# Altium PCB DDR3_Example.PcbDoc (part 4 of 6)
Units mm, origin at the board's own origin, x right, y up, seen from the top; angles counter-clockwise.
Board outline 133.38 x 30.03 mm, 6 copper layers (TOP, SPLIT1_L2, IN1_L3, IN2_L4, SPLIT2_L5, BOTTOM), stack 1.246 mm thick; 131 components, 227 nets, 1523 pads, 910 vias.
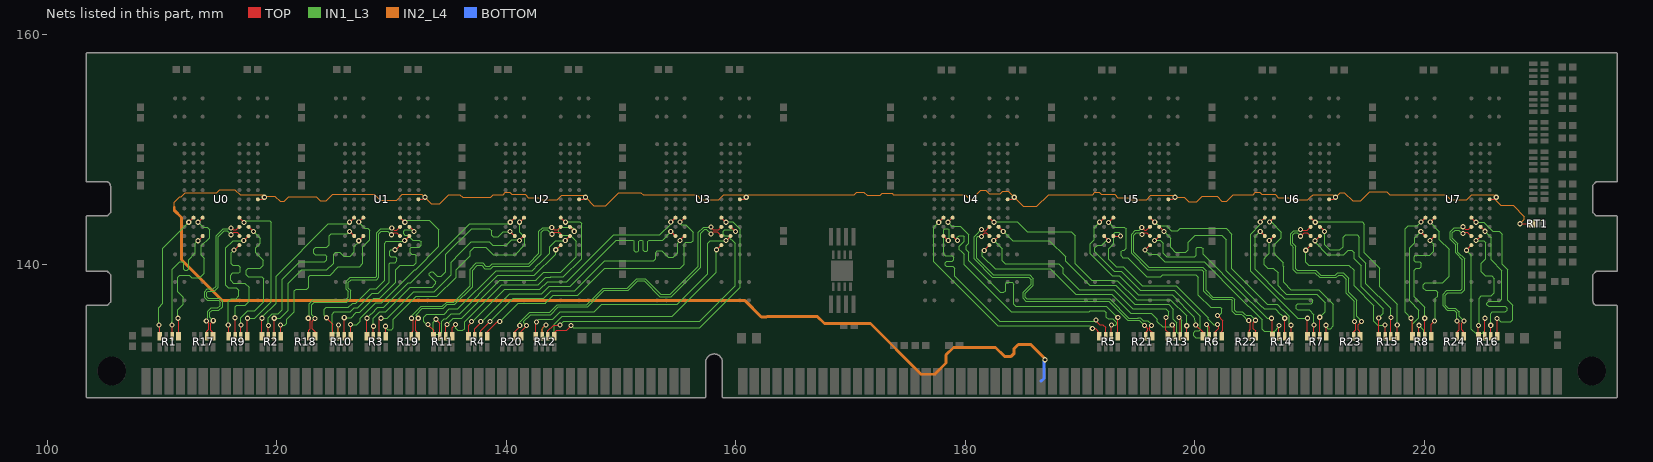
[diagram p8: the nets of this part, all layers, seen from the top]

## Via types
v1: diameter 0.45, hole 0.25, TOP to BOTTOM, 910 vias

## Nets (pads, with @x,y where several pads share a name; then routed paths per layer and width w, separated by ;. In a path a pad name is that pad's centre, name@x,y a point inside that pad or via, vN(x,y) a via of type N, cw(c..) or ccw(c..) an arc to the next point about the centre after c; other vN are vias at no path point) (continued)
DQ<1>: R1.5 U0.E7 | length 14.2
  TOP w0.1: v1(111.39,135.28) 111.439,135.231 R1.5@111.439,133.713 ; v1(113.146,143.64) 113.146,143.643 U0.E7@113.545,144.042
  IN1_L3 w0.1: v1(111.39,135.28) 111.39,136.032 111.86,136.502 111.86,137.098 111.39,137.568 111.39,138.844 111.566,139.02 112.364,139.02 112.576,138.808 113.284,138.808 113.666,139.19 113.666,140.51 113.43,140.746 113.43,141.58 114.146,142.296 114.146,143 113.946,143.2 113.586,143.2 v1(113.146,143.64)
DQ<2>: R9.6 U0.D2 | length 14.2
  TOP w0.1: R9.6@116.88,133.713 v1(116.88,134.68) ; U0.D2@117.546,143.242 117.566,143.242 v1(117.96,142.848)
  IN1_L3 w0.1: v1(116.88,134.68) 116.88,135.334 117.476,135.93 118.094,135.93 118.88,136.716 118.88,138.726 118.708,138.898 117.51,138.898 117.326,139.082 117.326,139.461 117.513,139.648 118.566,139.648 118.806,139.888 118.806,140.33 118.166,140.97 118.166,141.41 118.56,141.804 118.56,142.258 117.97,142.848 v1(117.96,142.848)
DQ<3>: R9.5 U0.E3 | length 14.2
  TOP w0.1: U0.E3@116.746,144.042 116.746,144.03 v1(117.146,143.63) ; R9.5@117.439,133.713 v1(117.439,135.28)
  IN1_L3 w0.1: v1(117.146,143.63) 117.276,143.76 119.386,143.76 119.526,143.62 119.526,136.727 118.079,135.28 v1(117.439,135.28)
DQ<4>: R1.8 U0.E8 | length 11.6
  TOP w0.1: v1(109.726,134.68) 109.813,134.593 R1.8@109.813,133.713 ; v1(112.334,143.646) 112.342,143.646 112.738,144.042 U0.E8@112.745,144.042
  IN1_L3 w0.1: v1(109.726,134.68) 109.726,136.21 110.084,136.568 110.084,141.378 112.334,143.628 v1(112.334,143.646)
DQ<5>: R1.6 U0.C7 | length 11.6
  TOP w0.1: v1(110.86,134.68) 110.88,134.66 R1.6@110.88,133.713 ; v1(113.146,142.03) 113.146,142.05 113.538,142.442 U0.C7@113.545,142.442
  IN1_L3 w0.1: v1(110.86,134.68) 110.86,134.98 110.884,135.004 110.884,139.548 111.556,140.22 111.746,140.22 111.886,140.08 111.886,139.55 111.976,139.46 112.206,139.46 112.332,139.586 112.332,140.386 112.91,140.964 112.91,141.794 v1(113.146,142.03)
DQ<6>: R9.8 U0.C2 | length 11.6
  TOP w0.1: v1(115.776,134.68) 115.776,134.564 115.813,134.527 R9.8@115.813,133.713 ; v1(117.129,142.046) 117.525,142.442 U0.C2@117.546,142.442
  IN1_L3 w0.1: v1(115.776,134.68) 115.776,136.72 116.043,136.987 116.453,136.987 116.696,137.23 116.696,137.73 116.486,137.94 115.766,137.94 115.576,138.13 115.576,138.412 115.575,138.413 115.575,139.197 115.576,139.198 115.576,141.42 116.189,142.033 117.102,142.033 v1@117.116,142.047 ; v1@117.116,142.046 v1(117.129,142.046)
DQ<7>: R9.7 U0.B3 | length 11.7
  TOP w0.1: v1(116.276,141.23) 116.336,141.23 116.746,141.64 U0.B3@116.746,141.642 ; R9.7@116.372,133.713 v1(116.372,135.32)
  IN1_L3 w0.1: v1(116.276,141.23) 116.026,140.98 116.026,140.03 116.176,139.88 116.656,139.88 116.806,139.73 116.806,139.32 116.706,139.22 116.166,139.22 115.976,139.03 115.976,138.58 116.216,138.34 117.206,138.34 117.586,137.96 117.586,136.74 117.276,136.43 116.522,136.43 116.372,136.28 v1(116.372,135.32)
DQ<8>: R2.7 U1.C8 | length 17.1
  TOP w0.1: R2.7@119.272,133.713 v1(119.272,134.64) ; v1(126.339,142.83) 126.339,142.848 U1.C8@126.745,142.442
  IN1_L3 w0.1: v1(119.272,134.64) 119.272,135.337 119.613,135.678 120.118,135.678 120.47,136.03 120.47,138.654 122.016,140.2 124.19,140.2 124.37,140.38 124.37,140.656 124.236,140.79 123.356,140.79 123.216,140.93 123.216,141.27 123.396,141.45 124.376,141.45 124.586,141.66 124.586,142.481 124.746,142.641 126.15,142.641 v1(126.339,142.83)
DQ<9>: R2.5 U1.E7 | length 17.1
  TOP w0.1: R2.5@120.339,133.713 v1(120.339,134.68) ; v1(127.14,143.65) 127.14,143.668 127.138,143.67 127.166,143.67 127.538,144.042 U1.E7@127.545,144.042
  IN1_L3 w0.1: v1(120.339,134.68) 120.686,134.68 120.866,134.86 120.866,135.168 121.53,135.832 121.53,137.654 121.686,137.81 122.606,137.81 122.786,137.99 122.786,138.89 122.926,139.03 124.656,139.03 125.374,139.748 126.969,139.748 126.97,139.749 127.211,139.749 127.509,140.047 127.509,141.413 127.51,141.414 127.51,141.527 128.106,142.123 128.106,142.95 127.946,143.11 127.68,143.11 v1(127.14,143.65)
DQ<10>: R10.6 U1.D2 | length 17.2
  TOP w0.1: R10.6@125.88,133.713 v1(125.88,135.326) ; U1.D2@131.546,143.242 131.572,143.242 131.96,142.854 v1(131.96,142.848)
  IN1_L3 w0.1: v1(125.88,135.326) 126.48,135.326 126.935,135.781 127.218,135.781 127.921,136.484 127.924,136.484 128.472,137.032 128.558,137.032 128.559,137.033 128.993,137.033 130.368,138.408 130.368,139.512 130.756,139.9 131.936,139.9 132.146,140.11 132.146,140.72 132.006,140.86 131.746,140.86 131.626,140.98 131.626,141.38 131.726,141.48 132.426,141.48 132.569,141.623 132.569,141.809 132.576,141.816 132.576,141.93 132.426,142.08 131.856,142.08 131.436,142.5 131.166,142.5 131.046,142.62 131.046,142.86 131.166,142.98 131.828,142.98 v1(131.96,142.848)
DQ<11>: R10.5 U1.E3 | length 17.1
  TOP w0.1: R10.5@126.439,133.713 v1(126.439,134.717) ; U1.E3@130.746,144.042 130.756,144.042 v1(131.16,143.638)
  IN1_L3 w0.1: v1(126.439,134.717) 126.983,134.717 127.266,135 127.266,135.259 127.619,135.612 127.619,135.614 128.088,136.083 128.091,136.083 128.639,136.631 128.725,136.631 128.726,136.632 129.16,136.632 130.359,137.831 130.359,137.833 132.026,139.5 132.106,139.5 134.136,141.53 134.136,142.98 133.296,143.82 131.342,143.82 v1(131.16,143.638)
DQ<12>: R2.8 U1.E8 | length 14.7
  TOP w0.1: R2.8@118.713,133.713 v1(118.713,135.28) ; v1(126.329,143.648) 126.351,143.648 U1.E8@126.745,144.042
  IN1_L3 w0.1: v1(118.713,135.28) 118.713,135.346 119.94,136.573 119.94,138.954 124.481,143.495 126.191,143.495 126.326,143.63 126.326,143.646 v1@126.328,143.648
DQ<13>: R2.6 U1.C7 | length 14.8
  TOP w0.1: R2.6@119.78,133.713 v1(119.78,135.276) ; v1(127.146,142.03) 127.146,142.05 127.538,142.442 U1.C7@127.545,142.442
  IN1_L3 w0.1: v1(119.78,135.276) 120.296,135.276 121,135.98 121,138.344 122.166,139.51 124.366,139.51 124.946,140.09 124.946,140.84 125.126,141.02 125.506,141.02 125.846,140.68 126.389,140.68 126.773,141.064 126.773,141.54 127.146,141.913 v1(127.146,142.03)
DQ<14>: R10.8 U1.C2 | length 14.7
  TOP w0.1: v1(124.326,135.32) 124.896,134.75 124.896,133.796 R10.8@124.813,133.713 ; v1(131.146,142.04) 131.546,142.44 U1.C2@131.546,142.442
  IN1_L3 w0.1: v1(124.326,135.32) 124.126,135.52 124.126,136.05 124.307,136.231 126.249,136.231 126.601,136.583 126.884,136.583 127.587,137.286 127.59,137.286 128.138,137.834 128.224,137.834 128.225,137.835 128.659,137.835 129.41,138.586 129.41,141.82 129.556,141.966 131.072,141.966 v1(131.146,142.04)
DQ<15>: R10.7 U1.B3 | length 14.6
  TOP w0.1: R10.7@125.372,133.713 v1(125.372,134.68) ; v1(130.316,141.248) 130.354,141.248 130.746,141.64 U1.B3@130.746,141.642
  IN1_L3 w0.1: v1(125.372,134.68) 125.372,134.146 125.246,134.02 124.956,134.02 124.826,134.15 124.826,135.63 125.026,135.83 126.416,135.83 126.768,136.182 127.051,136.182 127.754,136.885 127.757,136.885 128.305,137.433 128.391,137.433 128.392,137.434 128.826,137.434 129.811,138.419 129.811,140.03 129.911,140.13 130.326,140.13 130.466,140.27 130.466,140.49 130.326,140.63 129.926,140.63 129.826,140.73 129.826,141.13 129.944,141.248 v1(130.316,141.248)
DQ<16>: R3.7 U2.C8 | length 20.5
  TOP w0.1: R3.7@128.422,133.713 v1(128.422,134.58) ; v1(140.336,142.834) 140.353,142.834 U2.C8@140.745,142.442
  IN1_L3 w0.1: v1(128.422,134.58) 128.422,135.28 128.972,135.83 129.058,135.83 129.059,135.831 129.493,135.831 130.684,137.022 130.685,137.021 131.643,137.979 133.309,137.979 133.313,137.983 133.529,137.983 133.872,138.326 133.872,138.466 133.302,139.036 133.302,139.176 133.445,139.319 133.585,139.319 133.974,138.93 134.326,138.93 134.736,139.34 134.736,140.849 136.981,143.094 138.532,143.094 138.726,142.9 138.726,142.53 138.876,142.38 139.292,142.38 139.746,142.834 v1(140.336,142.834)
DQ<17>: R3.5 U2.E7 | length 20.6
  TOP w0.1: R3.5@129.489,133.713 v1(129.489,134.58) ; v1(141.16,143.648) 141.545,144.033 U2.E7@141.545,144.042
  IN1_L3 w0.1: v1(129.489,134.58) 129.489,134.457 129.676,134.27 130.006,134.27 130.171,134.435 130.171,135.175 132.173,137.177 133.643,137.177 133.647,137.181 133.956,137.181 135.626,138.851 135.626,139.481 136.865,140.72 136.865,141.129 137.216,141.48 138.226,141.48 138.879,140.827 140.773,140.827 141.626,141.68 141.626,142.31 141.16,142.776 v1(141.16,143.648)
DQ<18>: R11.6 U2.D2 | length 20.5
  TOP w0.1: R11.6@134.73,133.713 134.73,134.634 v1(134.826,134.73) ; U2.D2@145.546,143.242 145.926,142.862 v1(145.926,142.85)
  IN1_L3 w0.1: v1(134.826,134.73) 135.377,135.281 136.113,135.281 139.437,138.605 139.515,138.605 139.516,138.606 142.595,138.606 142.601,138.612 142.603,138.612 143.261,139.27 143.694,139.27 143.696,139.272 144.734,139.272 146.076,140.614 146.076,141.97 145.554,142.492 144.774,142.492 144.566,142.7 144.566,143.04 144.716,143.19 145.746,143.19 145.926,143.01 v1(145.926,142.85)
DQ<19>: R11.5 U2.E3 | length 20.6
  TOP w0.1: R11.5@135.289,133.713 135.289,134.443 v1(135.576,134.73) ; U2.E3@144.746,144.042 144.766,144.042 v1(145.16,143.648)
  IN1_L3 w0.1: v1(135.576,134.73) 135.576,134.42 135.766,134.23 136.216,134.23 136.366,134.38 136.366,134.966 139.604,138.204 139.682,138.204 139.683,138.205 142.762,138.205 142.768,138.211 142.77,138.211 143.428,138.869 143.861,138.869 143.863,138.871 144.97,138.871 146.57,140.471 146.57,143.536 146.416,143.69 145.202,143.69 v1(145.16,143.648)
DQ<20>: R3.8 U2.E8 | length 18.1
  TOP w0.1: R3.8@127.863,133.713 v1(127.863,135.28) ; v1(140.346,143.64) 140.564,143.858 140.564,143.861 U2.E8@140.745,144.042
  IN1_L3 w0.1: v1(127.863,135.28) 128.02,135.437 128.02,135.447 128.255,135.682 ; 128.256,135.682 128.805,136.231 128.891,136.231 128.892,136.232 129.326,136.232 131.474,138.38 131.696,138.38 136.811,143.495 140.196,143.495 140.341,143.64 v1(140.346,143.64)
DQ<21>: R3.6 U2.C7 | length 18.1
  TOP w0.1: R3.6@128.93,133.713 128.93,135.134 v1(129.076,135.28) ; v1(141.146,142.048) 141.146,142.118 141.47,142.442 U2.C7@141.545,142.442
  IN1_L3 w0.1: v1(129.076,135.28) 129.626,135.28 131.924,137.578 133.476,137.578 133.48,137.582 133.72,137.582 135.186,139.048 135.186,140.161 135.988,140.963 135.988,140.992 136.936,141.94 138.516,141.94 138.823,141.633 139.995,141.633 140.462,142.1 141.094,142.1 v1(141.146,142.048)
DQ<22>: R11.8 U2.C2 | length 18.1
  TOP w0.1: v1(133.176,134.73) 133.663,134.243 R11.8@133.663,133.713 ; v1(145.136,142.05) 145.528,142.442 U2.C2@145.546,142.442
  IN1_L3 w0.1: v1(133.176,134.73) 133.046,134.73 132.826,134.95 132.826,135.37 133.086,135.63 134.59,135.63 135.043,136.083 135.781,136.083 139.105,139.407 139.213,139.407 139.214,139.408 142.254,139.408 142.851,140.005 142.86,140.005 143.776,140.921 143.776,141.5 144.326,142.05 v1(145.136,142.05)
DQ<23>: R11.7 U2.B3 | length 18
  TOP w0.1: v1(133.866,135.19) 134.222,134.834 R11.7@134.222,133.713 ; v1(144.31,141.248) 144.332,141.248 144.726,141.642 U2.B3@144.746,141.642
  IN1_L3 w0.1: v1(133.866,135.19) 133.866,135.18 133.626,134.94 133.626,134.08 133.836,133.87 134.186,133.87 134.381,134.065 134.381,135.034 134.576,135.229 134.757,135.229 134.758,135.23 134.758,135.232 135.208,135.682 135.946,135.682 139.271,139.007 142.428,139.007 142.434,139.013 142.436,139.013 144.296,140.873 144.296,141.234 v1(144.31,141.248)
DQ<24>: R4.7 U3.C8 | length 25.4
  TOP w0.1: R4.7@137.272,133.713 137.272,134.376 137.776,134.88 v1(137.776,134.98) ; v1(154.336,142.83) 154.357,142.83 U3.C8@154.745,142.442
  IN1_L3 w0.1: v1(137.776,134.98) 137.876,134.98 140.298,137.402 143.095,137.402 143.76,138.067 144.195,138.067 144.197,138.069 145.565,138.069 149.586,142.09 151.053,142.09 151.133,142.01 151.133,141.16 151.233,141.06 151.433,141.06 151.533,141.16 151.533,141.97 151.653,142.09 151.853,142.09 151.933,142.01 151.933,141.2 152.033,141.1 152.233,141.1 152.333,141.2 152.333,141.97 152.453,142.09 153.615,142.09 154.336,142.811 v1(154.336,142.83)
DQ<25>: R4.5 U3.E7 | length 25.5
  TOP w0.1: R4.5@138.339,133.713 138.339,134.093 139.226,134.98 v1(139.426,134.98) ; v1(155.136,143.65) U3.E7@155.545,144.042
  IN1_L3 w0.1: v1(139.426,134.98) 141.046,136.6 142.469,136.6 142.47,136.601 143.43,136.601 143.436,136.607 143.438,136.607 144.096,137.265 144.529,137.265 144.53,137.266 144.862,137.266 ; v1(155.136,143.65) 155.136,143.56 155.266,143.43 155.636,143.43 156.276,142.79 156.276,142.04 156.116,141.88 155.636,141.88 155.499,141.743 155.499,139.969 155.16,139.63 151.594,139.63 151.593,139.631 148.809,139.631 148.808,139.63 148.576,139.63 146.211,137.265 144.863,137.265 ; 144.862,137.266 144.863,137.265
DQ<26>: R12.6 U3.D2 | length 25.5
  TOP w0.1: R12.6@143.63,133.713 143.63,134.184 144.126,134.68 v1(144.676,134.68) ; U3.D2@159.546,143.242 159.572,143.242 159.96,142.854 v1(159.96,142.848)
  IN1_L3 w0.1: v1(144.676,134.68) 145.028,135.032 156.872,135.032 159.96,138.12 159.96,141.796 159.276,142.48 159.007,142.48 158.886,142.601 158.886,142.84 159.026,142.98 159.828,142.98 v1(159.96,142.848)
DQ<27>: R12.5 U3.E3 | length 25.5
  TOP w0.1: R12.5@144.189,133.713 144.189,134.03 144.389,134.23 145.276,134.23 145.626,134.58 v1(145.626,134.63) ; U3.E3@158.746,144.042 158.746,144.028 v1(159.134,143.64)
  IN1_L3 w0.1: v1(145.626,134.63) 145.826,134.43 147.784,134.43 147.794,134.44 156.846,134.44 160.376,137.97 160.376,143.03 159.738,143.668 159.162,143.668 v1(159.134,143.64)
DQ<28>: R4.8 U3.E8 | length 23
  TOP w0.1: R4.8@136.713,133.713 136.713,134.667 136.976,134.93 v1(136.976,134.98) ; v1(154.332,143.651) 154.354,143.651 U3.E8@154.745,144.042
  IN1_L3 w0.1: v1(136.976,134.98) 137.026,134.98 139.85,137.804 142.929,137.804 142.935,137.81 142.937,137.81 143.595,138.468 144.028,138.468 144.03,138.47 145.286,138.47 149.356,142.54 153.387,142.54 154.332,143.485 v1(154.332,143.651)
DQ<29>: R4.6 U3.C7 | length 23
  TOP w0.1: R4.6@137.78,133.713 137.78,134.184 v1(138.576,134.98) ; v1(155.146,142.048) 155.146,142.118 155.47,142.442 U3.C7@155.545,142.442
  IN1_L3 w0.1: v1(138.576,134.98) 140.597,137.001 142.302,137.001 142.303,137.002 143.263,137.002 143.269,137.008 143.271,137.008 143.929,137.666 144.362,137.666 144.364,137.668 144.696,137.668 144.697,137.667 145.029,137.667 145.03,137.666 145.962,137.666 148.586,140.29 152.846,140.29 153.016,140.46 153.016,141 153.166,141.15 153.554,141.15 154.106,140.598 154.544,140.598 154.926,140.98 154.926,141.828 v1(155.146,142.048)
DQ<30>: R12.8 U3.C2 | length 22.9
  TOP w0.1: R12.8@142.563,133.713 142.563,134.897 v1(142.626,134.96) ; v1(159.146,142.04) 159.146,142.018 159.546,142.418 U3.C2@159.546,142.442
  IN1_L3 w0.1: v1(142.626,134.96) 142.836,135.17 144.026,135.17 144.032,135.176 144.034,135.176 144.692,135.834 147.68,135.834 148.326,136.48 154.881,136.48 157.576,139.175 157.576,141.818 157.776,142.018 159.124,142.018 v1(159.146,142.04)
DQ<31>: R12.7 U3.B3 | length 22.9
  TOP w0.1: R12.7@143.122,133.713 143.122,134.426 143.376,134.68 v1(143.472,134.68) ; v1(158.31,141.248) 158.31,141.232 158.72,141.642 U3.B3@158.746,141.642
  IN1_L3 w0.1: v1(143.472,134.68) 143.446,134.68 143.136,134.37 143.136,133.85 143.336,133.65 144.006,133.65 144.193,133.837 144.193,134.769 144.199,134.775 144.201,134.775 144.859,135.433 154.471,135.433 158.31,139.272 v1(158.31,141.248)
DQ<32>: R5.7 U4.C8 | length 24.1
  TOP w0.1: U4.C8@178.095,142.442 178.116,142.442 v1(178.51,142.048) ; v1(191.376,135.13) 191.376,135.049 191.695,134.73 191.976,134.73 192.222,134.484 R5.7@192.222,133.713
  IN1_L3 w0.1: v1(178.51,142.048) 178.596,142.134 178.596,143.01 178.516,143.09 178.186,143.09 178.099,143.003 178.099,140.874 178.246,140.727 178.839,140.727 178.986,140.58 178.986,140.39 178.856,140.26 178.366,140.26 178.236,140.13 178.236,139.89 178.336,139.79 178.926,139.79 179.086,139.63 179.086,138.936 182.992,135.03 191.276,135.03 v1(191.376,135.13)
DQ<33>: R5.5 U4.E7 | length 24.1
  TOP w0.1: v1(178.476,143.64) 178.878,144.042 U4.E7@178.895,144.042 ; R5.5@193.289,133.713 v1(193.289,135.33)
  IN1_L3 w0.1: v1(178.476,143.64) 178.826,143.29 179.552,143.29 180.296,142.546 180.296,141.804 180.066,141.574 180.066,141.246 180.296,141.016 180.296,140.27 183.026,137.54 183.366,137.54 183.506,137.68 183.506,138.3 183.606,138.4 184.076,138.4 184.236,138.24 184.236,136.49 184.391,136.335 192.291,136.335 193.289,135.337 v1(193.289,135.33)
DQ<34>: R13.6 U4.D2 | length 24.1
  TOP w0.1: U4.D2@182.896,143.242 182.922,143.242 183.31,142.854 v1(183.31,142.848) ; v1(198.626,135.33) 198.73,135.226 R13.6@198.73,133.713
  IN1_L3 w0.1: v1(183.31,142.848) 183.726,142.432 184.113,142.044 187.332,142.044 188.746,140.63 188.746,140.25 190.83,138.166 192.639,138.166 192.64,138.165 193.086,138.165 194.75,136.501 197.709,136.501 198.138,136.072 198.138,135.168 198.436,134.87 198.436,134.05 198.546,133.94 198.686,133.94 198.846,134.1 198.846,135.11 v1(198.626,135.33)
DQ<35>: R13.5 U4.E3 | length 24
  TOP w0.1: U4.E3@182.096,144.042 182.096,144.03 v1(182.486,143.64) ; R13.5@199.289,133.713 v1(199.289,134.617)
  IN1_L3 w0.1: v1(182.486,143.64) 182.52,143.674 184.522,143.674 185.376,142.82 189.216,142.82 189.586,142.45 189.586,140.01 191.03,138.566 192.889,138.566 192.89,138.565 193.254,138.565 194.917,136.902 197.876,136.902 199.289,135.489 v1(199.289,134.617)
DQ<36>: R5.8 U4.E8 | length 21.5
  TOP w0.1: v1(177.681,143.635) 177.688,143.635 U4.E8@178.095,144.042 ; v1(191.066,134.39) 191.306,134.39 191.663,134.033 R5.8@191.663,133.713
  IN1_L3 w0.1: v1(177.681,143.635) 177.666,143.635 177.666,143.62 177.256,143.21 177.256,140.2 182.826,134.63 190.826,134.63 v1(191.066,134.39)
DQ<37>: R5.6 U4.C7 | length 21.6
  TOP w0.1: U4.C7@178.895,142.442 179.289,142.048 v1(179.31,142.048) ; R5.6@192.73,133.713 v1(192.73,134.68)
  IN1_L3 w0.1: v1(179.31,142.048) 179.31,142.314 179.456,142.46 179.816,142.46 179.896,142.38 179.896,141.97 179.476,141.55 179.476,141.266 179.589,141.153 179.593,141.153 179.896,140.85 179.896,139.93 183.995,135.831 190.787,135.831 190.89,135.934 191.616,135.934 191.617,135.935 192.125,135.935 192.296,135.764 192.296,135.376 192.452,135.22 192.83,135.22 193.186,134.864 193.186,134.778 193.086,134.678 192.732,134.678 v1(192.73,134.68)
DQ<38>: R13.8 U4.C2 | length 21.6
  TOP w0.1: v1(182.479,142.037) 182.491,142.037 U4.C2@182.896,142.442 ; v1(197.476,135.33) 197.476,134.23 197.663,134.043 R13.8@197.663,133.713
  IN1_L3 w0.1: v1(182.479,142.037) 182.476,142.037 182.476,142.05 182.508,142.018 182.538,142.018 183.226,141.33 183.226,140.28 183.476,140.03 188.126,140.03 188.536,139.62 188.536,139.16 189.93,137.766 192.473,137.766 192.475,137.764 192.555,137.764 192.556,137.763 192.92,137.763 194.583,136.1 197.456,136.1 197.726,135.83 197.726,135.58 v1(197.476,135.33)
DQ<39>: R13.7 U4.B3 | length 21.5
  TOP w0.1: v1(181.646,141.184) 181.71,141.248 181.71,141.254 182.096,141.64 U4.B3@182.096,141.642 ; v1(198.026,134.68) 198.222,134.484 R13.7@198.222,133.713
  IN1_L3 w0.1: v1(181.646,141.184) 181.476,141.014 181.476,140.69 182.596,139.57 187.406,139.57 189.611,137.365 192.306,137.365 192.309,137.362 192.753,137.362 194.416,135.699 196.207,135.699 196.726,135.18 196.726,134.99 197.186,134.53 197.876,134.53 v1(198.026,134.68)
DQ<40>: R6.7 U5.C8 | length 19.5
  TOP w0.1: U5.C8@192.095,142.442 192.095,142.431 192.486,142.04 v1(192.486,142.05) ; v1(201.026,134.73) 201.026,134.72 201.272,134.474 R6.7@201.272,133.713
  IN1_L3 w0.1: v1(192.486,142.05) 192.296,142.05 191.894,141.648 191.534,141.648 191.294,141.408 191.294,141.052 192.974,139.372 193.137,139.372 193.142,139.367 193.588,139.367 195.251,137.704 197.542,137.704 197.543,137.705 198.209,137.705 200.485,135.429 200.485,134.28 200.375,134.17 200.046,134.17 199.906,134.03 199.906,133.77 200.096,133.58 200.886,133.58 201.106,133.8 201.106,134.65 v1(201.026,134.73)
DQ<41>: R6.5 U5.E7 | length 19.6
  TOP w0.1: v1(192.486,143.63) 192.486,143.633 U5.E7@192.895,144.042 ; v1(201.976,135.53) 202.436,135.07 202.436,134.245 202.339,134.148 R6.5@202.339,133.713
  IN1_L3 w0.1: v1(192.486,143.63) 192.906,143.21 193.866,143.21 194.01,143.066 194.01,141.364 193.866,141.22 193.696,141.22 193.586,141.11 193.586,140.706 193.723,140.569 194.088,140.569 194.097,140.56 194.136,140.56 195.789,138.907 197.041,138.907 197.214,139.08 200.086,139.08 200.316,138.85 200.316,137.3 201.371,136.245 202.211,136.245 202.356,136.1 202.356,135.76 202.156,135.56 202.006,135.56 v1(201.976,135.53)
DQ<42>: R14.6 U5.D2 | length 19.4
  TOP w0.1: U5.D2@196.896,143.242 196.922,143.242 197.246,142.918 197.246,142.912 v1(197.31,142.848) ; R14.6@207.83,133.713 v1(207.83,135.276)
  IN1_L3 w0.1: v1(197.31,142.848) 197.895,142.263 197.895,141.465 198.312,141.048 199.21,141.048 199.426,141.264 199.426,141.88 200.046,142.5 202.356,142.5 202.726,142.13 202.726,139.404 205.845,136.285 205.854,136.285 206.056,136.083 207.01,136.083 207.463,135.63 207.476,135.63 v1(207.83,135.276)
DQ<43>: R14.5 U5.E3 | length 19.5
  TOP w0.1: U5.E3@196.096,144.042 196.096,144.018 196.466,143.648 v1(196.51,143.648) ; R14.5@208.389,133.713 v1(208.389,134.667)
  IN1_L3 w0.1: v1(196.51,143.648) 196.838,143.32 197.532,143.32 197.954,142.898 198.504,142.898 198.716,143.11 202.726,143.11 203.226,142.61 203.226,139.58 206.322,136.484 207.177,136.484 207.63,136.031 207.643,136.031 207.995,135.679 207.997,135.679 208.233,135.443 208.233,135.023 208.241,135.015 208.241,134.815 v1(208.389,134.667)
DQ<44>: R6.8 U5.E8 | length 16.9
  TOP w0.1: v1(191.696,143.648) 191.71,143.648 192.095,144.033 U5.E8@192.095,144.042 ; v1(200.076,134.68) 200.713,134.043 R6.8@200.713,133.713
  IN1_L3 w0.1: v1(191.696,143.648) 191.226,143.178 191.226,142.1 190.894,141.768 190.894,140.886 192.808,138.972 192.844,138.972 192.849,138.967 193.056,138.967 193.057,138.966 193.421,138.966 195.084,137.303 197.709,137.303 197.71,137.304 197.786,137.304 197.787,137.303 198.043,137.303 199.921,135.425 v1(200.076,134.68)
DQ<45>: R6.6 U5.C7 | length 17
  TOP w0.1: U5.C7@192.895,142.442 v1(193.51,142.442) ; R6.6@201.78,133.713 201.78,134.084 202.086,134.39 202.086,134.622 v1(201.984,134.724)
  IN1_L3 w0.1: v1(193.51,142.442) 193.51,142.636 193.386,142.76 193.046,142.76 192.916,142.63 192.916,141.78 192.486,141.35 192.486,140.434 193.148,139.772 193.303,139.772 193.307,139.768 193.755,139.768 195.418,138.105 197.375,138.105 197.376,138.106 198.376,138.106 201.172,135.31 201.172,135.244 201.173,135.243 201.173,135.237 201.174,135.236 201.174,135.197 201.643,134.728 201.682,134.728 201.683,134.727 201.689,134.727 201.69,134.726 201.982,134.726 v1(201.984,134.724)
DQ<46>: R14.8 U5.C2 | length 17
  TOP w0.1: v1(196.496,142.06) 196.496,142.042 U5.C2@196.896,142.442 ; v1(206.676,135.28) 206.676,135.23 206.763,135.143 R14.8@206.763,133.713
  IN1_L3 w0.1: v1(196.496,142.06) 196.966,142.06 197.235,141.791 197.235,140.931 197.536,140.63 199.976,140.63 200.106,140.76 200.106,141.36 200.226,141.48 200.576,141.48 200.716,141.34 200.716,140.84 204.046,137.51 204.052,137.51 205.678,135.884 205.687,135.884 206.291,135.28 v1(206.676,135.28)
DQ<47>: R14.7 U5.B3 | length 16.9
  TOP w0.1: v1(195.646,141.218) 196.07,141.642 U5.B3@196.096,141.642 ; R14.7@207.322,133.713 v1(207.322,134.64)
  IN1_L3 w0.1: v1(195.646,141.218) 196.026,140.838 196.718,140.838 197.376,140.18 200.808,140.18 203.879,137.109 203.885,137.109 205.511,135.483 205.52,135.483 205.856,135.147 205.856,134.33 206.044,134.142 206.948,134.142 207.322,134.516 v1(207.322,134.64)
DQ<48>: R7.7 U6.C8 | length 15.8
  TOP w0.1: v1(205.696,142.848) 206.095,142.449 U6.C8@206.095,142.442 ; R7.7@210.372,133.713 v1(210.372,134.676)
  IN1_L3 w0.1: v1(205.696,142.848) 205.256,142.408 205.256,139.534 207.459,137.331 207.468,137.331 207.839,136.96 210.156,136.96 210.286,136.83 210.286,136.65 210.156,136.52 208.966,136.52 208.856,136.41 208.856,136.11 208.956,136.01 209.956,136.01 210.372,135.594 v1(210.372,134.676)
DQ<49>: R7.5 U6.E7 | length 15.8
  TOP w0.1: v1(206.496,143.653) 206.506,143.653 U6.E7@206.895,144.042 ; R7.5@211.439,133.713 v1(211.439,134.667)
  IN1_L3 w0.1: v1(206.496,143.653) 206.519,143.63 206.686,143.63 207.526,142.79 207.526,142.29 206.926,141.69 206.926,140.88 207.71,140.096 207.71,139.8 207.726,139.784 207.726,138.43 208.376,137.78 210.806,137.78 212.076,136.51 212.076,134.607 211.849,134.38 211.576,134.38 211.439,134.517 v1(211.439,134.667)
DQ<50>: R15.6 U6.D2 | length 15.8
  TOP w0.1: U6.D2@210.896,143.242 210.922,143.242 211.31,142.854 v1(211.31,142.848) ; R15.6@217.08,133.713 v1(217.08,135.34)
  IN1_L3 w0.1: v1(211.31,142.848) 211.31,141.696 211.776,141.23 212.642,141.23 212.936,141.524 212.936,142.34 213.146,142.55 214.136,142.55 214.336,142.35 214.336,140.624 214.907,140.053 214.907,138.301 217.08,136.128 v1(217.08,135.34)
DQ<51>: R15.5 U6.E3 | length 15.9
  TOP w0.1: U6.E3@210.096,144.042 U6.E3@210.096,144.042 v1(210.496,143.64) ; R15.5@217.639,133.713 v1(217.639,134.68)
  IN1_L3 w0.1: v1(210.496,143.64) 210.524,143.668 212.144,143.668 212.145,143.669 212.499,143.669 212.5,143.668 214.571,143.668 214.769,143.47 214.769,140.991 216.126,139.634 216.126,138.03 217.639,136.517 v1(217.639,134.68)
DQ<52>: R7.8 U6.E8 | length 13.4
  TOP w0.1: v1(205.696,143.653) 205.696,143.666 206.072,144.042 U6.E8@206.095,144.042 ; R7.8@209.813,133.713 v1(209.813,135.28)
  IN1_L3 w0.1: v1(205.696,143.653) 205.696,143.45 204.856,142.61 204.856,139.368 207.293,136.931 207.298,136.931 207.797,136.432 207.81,136.432 208.162,136.08 208.164,136.08 208.964,135.28 v1(209.813,135.28)
DQ<53>: R7.6 U6.C7 | length 13.4
  TOP w0.1: v1(206.486,142.05) 206.486,142.033 U6.C7@206.895,142.442 ; R7.6@210.88,133.713 v1(210.88,135.36)
  IN1_L3 w0.1: v1(206.486,142.05) 206.486,142.013 206.466,142.033 206.466,140.92 206.126,140.58 206.126,140.549 206.056,140.479 206.056,139.938 206.346,139.648 206.848,139.648 207.258,139.238 207.258,138.098 207.625,137.731 207.634,137.731 207.985,137.38 210.616,137.38 211.356,136.64 211.356,135.836 v1(210.88,135.36)
DQ<54>: R15.8 U6.C2 | length 13.3
  TOP w0.1: v1(210.483,142.034) 210.891,142.442 U6.C2@210.896,142.442 ; R15.8@216.013,133.713 216.013,134.543 216.006,134.55 216.006,135.29 v1(216.026,135.31)
  IN1_L3 w0.1: v1(210.483,142.034) 210.483,141.883 211.536,140.83 212.986,140.83 213.346,141.19 213.686,141.19 213.906,140.97 213.906,140.46 214.506,139.86 214.506,138.03 216.436,136.1 216.436,135.72 v1(216.026,135.31)
DQ<55>: R15.7 U6.B3 | length 13.4
  TOP w0.1: v1(209.66,141.198) 210.096,141.634 U6.B3@210.096,141.642 ; R15.7@216.572,133.713 v1(216.572,134.68)
  IN1_L3 w0.1: v1(209.66,141.198) 209.66,140.146 209.906,139.9 213.426,139.9 213.876,139.45 213.876,138.094 215.606,136.364 215.606,135.02 215.946,134.68 v1(216.572,134.68)
DQ<56>: R8.7 U7.C8 | length 14.2
  TOP w0.1: R8.7@219.522,133.713 v1(219.522,134.66) ; v1(219.691,142.824) 220.073,142.442 U7.C8@220.095,142.442
  IN1_L3 w0.1: v1(219.522,134.66) 219.956,134.226 219.956,133.52 219.786,133.35 219.166,133.35 218.976,133.54 218.976,134.79 219.522,135.336 219.522,135.984 218.716,136.79 218.716,141.401 219.178,141.863 219.178,142.311 v1(219.691,142.824)
DQ<57>: R8.5 U7.E7 | length 14.3
  TOP w0.1: v1(220.516,143.65) 220.895,144.029 U7.E7@220.895,144.042 ; R8.5@220.589,133.713 220.589,134.743 v1(220.876,135.03)
  IN1_L3 w0.1: v1(220.516,143.65) 220.516,143.63 221.316,142.83 221.316,142.11 222.156,141.27 222.156,138.95 221.586,138.38 220.092,138.38 219.916,138.204 219.916,137.892 220.11,137.698 221.01,137.698 221.176,137.532 221.176,137.214 220.96,136.998 220.96,135.114 v1(220.876,135.03)
DQ<58>: R16.6 U7.D2 | length 14.2
  TOP w0.1: U7.D2@224.896,143.242 U7.D2@224.896,143.242 v1(225.286,142.85) ; R16.6@225.78,133.713 v1(225.78,134.66)
  IN1_L3 w0.1: v1(225.286,142.85) 225.286,142.808 225.81,142.284 225.81,140.361 226.743,139.428 226.743,136.91 226.583,136.75 225.606,136.75 225.456,136.6 225.456,136.45 225.606,136.3 227.066,136.3 227.21,136.156 227.21,135.994 227.046,135.83 225.924,135.83 225.78,135.686 v1(225.78,134.66)
DQ<59>: R16.5 U7.E3 | length 14.3
  TOP w0.1: U7.E3@224.096,144.042 v1(224.498,143.64) ; R16.5@226.339,133.713 v1(226.339,135.267)
  IN1_L3 w0.1: v1(224.498,143.64) 224.52,143.662 225.185,143.662 225.977,142.87 226.516,142.87 226.774,142.612 226.774,140.002 227.281,139.495 227.281,136.839 227.71,136.41 227.71,135.124 227.546,134.96 226.646,134.96 v1(226.339,135.267)
DQ<60>: R8.8 U7.E8 | length 11.8
  TOP w0.1: v1(218.826,135.28) 218.963,135.143 R8.8@218.963,133.713 ; v1(219.71,143.654) 219.71,143.657 U7.E8@220.095,144.042
  IN1_L3 w0.1: v1(218.826,135.28) 218.316,135.79 218.316,143.06 218.584,143.328 219.374,143.328 219.7,143.654 v1(219.71,143.654)
DQ<61>: R8.6 U7.C7 | length 11.7
  TOP w0.1: R8.6@220.03,133.713 v1(220.03,135.276) ; v1(220.486,142.05) 220.878,142.442 U7.C7@220.895,142.442
  IN1_L3 w0.1: v1(220.03,135.276) 220.03,136.228 219.116,137.142 219.116,139.46 219.276,139.62 219.576,139.62 219.716,139.76 219.716,140.05 219.576,140.19 219.226,140.19 219.116,140.3 219.116,140.638 219.226,140.748 220.46,140.748 220.806,141.094 220.806,141.73 v1(220.486,142.05)
DQ<62>: R16.8 U7.C2 | length 11.7
  TOP w0.1: v1(224.486,142.04) 224.494,142.04 U7.C2@224.896,142.442 ; R16.8@224.713,133.713 v1(224.713,134.643)
  IN1_L3 w0.1: v1(224.486,142.04) 225.166,142.04 225.36,141.846 225.36,140.45 224.966,140.056 224.966,139.31 225.316,138.96 225.866,138.96 226.096,138.73 226.096,137.51 225.836,137.25 224.976,137.25 224.766,137.04 224.766,134.696 v1(224.713,134.643)
DQ<63>: R16.7 U7.B3 | length 11.8
  TOP w0.1: v1(223.663,141.198) 224.096,141.631 U7.B3@224.096,141.642 ; R16.7@225.272,133.713 v1(225.272,135.28)
  IN1_L3 w0.1: v1(223.663,141.198) 224.094,140.767 224.094,134.322 224.456,133.96 225.036,133.96 225.266,134.19 225.266,135.274 v1(225.272,135.28)
DQS*<0>: R17.6 U0.D3 | length 14.1
  TOP w0.1: v1(113.862,135.045) 114.056,134.851 114.056,134.31 113.88,134.134 R17.6@113.88,133.713 ; v1(116.024,143.147) 116.19,142.981 116.485,142.981 U0.D3@116.746,143.242
  IN1_L3 w0.1: v1(113.862,135.045) 113.976,135.159 113.976,135.87 114.286,136.18 114.876,136.18 115.076,136.38 115.076,136.68 114.926,136.83 113.933,136.83 113.706,137.057 113.706,137.603 113.943,137.84 114.466,137.84 114.706,138.08 114.706,142.47 115.326,143.09 115.967,143.09 v1(116.024,143.147)
DQS*<1>: R18.6 U1.D3 | length 17.1
  TOP w0.1: v1(122.739,135.271) 122.906,135.104 122.906,134.36 122.78,134.234 R18.6@122.78,133.713 ; v1(130.024,143.147) 130.221,142.95 130.454,142.95 U1.D3@130.746,143.242
  IN1_L3 w0.1: v1(122.739,135.271) 122.836,135.368 122.836,136.538 123.174,136.876 123.565,136.876 123.566,136.877 123.754,136.877 123.755,136.876 126.003,136.876 126.236,137.109 126.236,137.615 126.046,137.805 126.046,138.491 126.396,138.841 128.626,138.841 128.706,138.921 128.706,142.735 129.042,143.071 129.75,143.071 129.753,143.074 129.951,143.074 v1(130.024,143.147)
DQS*<2>: R19.6 U2.D3 | length 20.5
  TOP w0.1: R19.6@131.73,133.713 131.73,134.034 131.899,134.203 131.899,135.111 v1(131.73,135.28) ; v1(143.96,143.198) 144.176,142.982 144.486,142.982 U2.D3@144.746,143.242
  IN1_L3 w0.1: v1(131.73,135.28) 131.73,135.466 132.596,136.332 134.438,136.332 134.793,136.687 134.959,136.687 134.96,136.686 135.444,136.686 136.858,138.1 136.858,139.546 137.403,140.091 137.93,140.091 138.21,139.811 138.563,139.811 138.762,140.01 141.916,140.01 141.946,140.04 141.956,140.04 142.836,140.92 142.836,142.84 143.178,143.182 143.944,143.182 v1(143.96,143.198)
DQS*<3>: R20.6 U3.D3 | length 25.4
  TOP w0.1: R20.6@140.73,133.713 140.73,134.084 141.176,134.53 v1(141.176,134.63) ; v1(157.829,143.221) 158.041,143.009 158.513,143.009 U3.D3@158.746,143.242
  IN1_L3 w0.1: v1(141.176,134.63) 141.176,134.929 141.985,135.739 142.044,135.798 142.803,135.798 142.804,135.799 143.765,135.799 143.769,135.803 143.771,135.803 144.43,136.462 147.023,136.462 148.471,137.91 150.556,137.91 151.377,138.731 152.095,138.731 153.455,137.371 154.287,137.371 156.726,139.81 156.726,142.75 157.197,143.221 v1(157.829,143.221)
DQS*<4>: R21.6 U4.D3 | length 24
  TOP w0.1: v1(181.401,143.011) 181.502,142.91 181.764,142.91 U4.D3@182.096,143.242 ; v1(195.626,134.63) 195.885,134.371 195.885,134.219 195.73,134.064 R21.6@195.73,133.713
  IN1_L3 w0.1: v1(181.401,143.011) 181.002,142.612 180.992,142.612 180.775,142.395 180.775,140.441 182.348,138.868 182.591,138.868 182.592,138.869 185.512,138.869 185.735,138.646 185.735,138.244 185.026,137.535 185.026,137.02 185.284,136.762 192.138,136.762 192.19,136.76 192.501,136.76 194.165,135.096 195.159,135.096 195.402,134.854 v1(195.626,134.63)
DQS*<5>: R22.6 U5.D3 | length 19.4
  TOP w0.1: v1(195.378,143.171) 195.619,142.93 195.784,142.93 U5.D3@196.096,143.242 ; v1(204.696,135.08) 204.708,135.08 204.849,134.938 204.849,134.303 204.73,134.184 R22.6@204.73,133.713
  IN1_L3 w0.1: v1(195.378,143.171) v1(195.378,143.171) 195.137,142.932 194.918,142.932 194.917,142.931 194.822,142.931 194.485,142.594 194.485,142.499 194.484,142.498 194.484,140.925 195.903,139.506 200.615,139.506 200.786,139.335 200.786,137.635 201.495,136.926 203.183,136.926 203.269,136.84 203.269,135.882 203.511,135.64 204.057,135.64 204.158,135.539 ; 204.158,135.538 204.616,135.08 v1(204.696,135.08)
DQS*<6>: R23.6 U6.D3 | length 15.8
  TOP w0.1: v1(209.205,143.022) 209.297,142.93 209.462,142.93 209.464,142.932 209.786,142.932 U6.D3@210.096,143.242 ; R23.6@213.83,133.713 213.83,134.084 214.026,134.28 214.026,134.88 v1(213.926,134.98)
  IN1_L3 w0.1: v1(209.205,143.022) 209.094,142.911 208.623,142.911 208.345,142.633 208.345,141.715 208.376,141.684 208.376,141.68 208.434,141.622 208.584,141.472 208.584,139.522 208.856,139.25 210.446,139.25 210.866,138.83 212.316,138.83 212.526,139.04 212.841,139.04 213.195,138.686 213.195,137.441 213.886,136.75 213.886,135.038 213.926,134.998 v1(213.926,134.98)
DQS*<7>: R24.6 U7.D3 | length 14.2
  TOP w0.1: v1(222.841,135.033) 223.036,134.838 223.036,134.27 222.88,134.114 R24.6@222.88,133.713 ; v1(223.356,143.248) 223.574,143.03 223.884,143.03 U7.D3@224.096,143.242
  IN1_L3 w0.1: v1(222.841,135.033) 222.841,135.74 222.625,135.956 222.014,135.956 221.624,136.346 221.624,137.363 221.969,137.708 223.176,137.708 223.31,137.842 223.31,140.381 222.728,140.963 222.728,141.681 222.245,142.164 222.245,142.794 222.612,143.161 222.612,143.166 222.616,143.17 223.286,143.17 223.356,143.24 v1(223.356,143.248)
DQS<0>: R17.5 U0.C3 | length 14.1
  TOP w0.1: R17.5@114.439,133.713 114.439,134.067 114.256,134.25 114.256,134.859 v1(114.462,135.065) ; v1(116.027,142.547) 116.26,142.78 116.576,142.78 116.746,142.61 U0.C3@116.746,142.442
  IN1_L3 w0.1: v1(114.462,135.065) 114.176,135.351 114.176,135.787 114.369,135.98 114.959,135.98 115.276,136.297 115.276,136.763 115.009,137.03 114.016,137.03 113.906,137.14 113.906,137.52 114.026,137.64 114.549,137.64 114.906,137.997 114.906,142.387 115.409,142.89 115.679,142.89 115.847,142.722 115.852,142.722 v1(116.027,142.547)
DQS<1>: R18.5 U1.C3 | length 17.1
  TOP w0.1: R18.5@123.339,133.713 123.339,134.117 123.107,134.349 123.107,135.035 v1(123.339,135.267) ; v1(130.011,142.547) 130.192,142.728 130.46,142.728 U1.C3@130.746,142.442
  IN1_L3 w0.1: v1(123.339,135.267) 123.164,135.442 123.164,135.448 123.037,135.575 123.037,136.453 123.258,136.674 123.649,136.674 123.65,136.675 126.087,136.675 126.437,137.025 126.437,137.699 126.247,137.889 126.247,138.407 126.48,138.64 128.71,138.64 128.907,138.837 128.907,142.651 129.126,142.87 129.666,142.87 130.013,142.523 130.013,142.547 v1(130.011,142.547)
DQS<2>: R19.5 U2.C3 | length 20.5
  TOP w0.1: R19.5@132.289,133.713 132.289,134.017 132.126,134.18 132.126,135.076 v1(132.33,135.28) ; v1(143.989,142.598) 144.171,142.78 144.616,142.78 144.746,142.65 U2.C3@144.746,142.442
  IN1_L3 w0.1: v1(132.33,135.28) 132.136,135.474 132.136,135.586 132.68,136.13 134.522,136.13 134.877,136.485 135.528,136.485 137.059,138.016 137.059,139.462 137.487,139.89 137.846,139.89 138.126,139.61 138.647,139.61 138.846,139.809 142.009,139.809 142.035,139.835 142.044,139.835 143.046,140.837 143.046,142.76 143.266,142.98 143.566,142.98 143.986,142.56 143.986,142.595 v1(143.989,142.598)
DQS<3>: R20.5 U3.C3 | length 25.4
  TOP w0.1: R20.5@141.289,133.713 141.289,134.143 141.351,134.205 141.353,134.205 141.778,134.63 v1(141.776,134.63) ; v1(157.849,142.621) 157.846,142.621 157.846,142.607 158.047,142.808 158.378,142.808 U3.C3@158.746,142.442 U3.C3@158.746,142.442
  IN1_L3 w0.1: v1(141.776,134.63) 141.526,134.88 141.526,134.994 142.128,135.596 142.887,135.596 142.888,135.597 143.848,135.597 143.853,135.602 143.855,135.602 144.514,136.261 147.107,136.261 148.555,137.709 150.472,137.709 150.473,137.708 150.639,137.708 151.461,138.53 152.011,138.53 153.371,137.17 154.379,137.17 156.936,139.727 156.927,139.736 156.927,142.666 157.281,143.02 157.428,143.02 157.652,142.796 157.674,142.796 v1(157.849,142.621)
DQS<4>: R21.5 U4.C3 | length 24
  TOP w0.1: v1(181.419,142.411) 181.419,142.423 181.705,142.709 181.827,142.709 U4.C3@182.096,142.442 U4.C3@182.096,142.442 ; v1(196.226,134.654) 196.086,134.513 196.086,134.24 196.289,134.037 R21.5@196.289,133.713
  IN1_L3 w0.1: v1(181.419,142.411) 181.076,142.411 180.976,142.311 180.976,140.525 182.432,139.069 182.507,139.069 182.508,139.07 185.596,139.07 185.936,138.73 185.936,138.16 185.227,137.451 185.227,137.104 185.368,136.963 192.138,136.963 192.139,136.964 192.14,136.963 192.186,136.963 192.19,136.961 192.585,136.961 194.249,135.297 195.076,135.297 195.077,135.298 195.243,135.298 195.486,135.055 195.911,135.055 196.226,134.74 v1(196.226,134.654)
DQS<5>: R22.5 U5.C3 | length 19.4
  TOP w0.1: v1(195.387,142.571) 195.544,142.728 195.808,142.728 196.094,142.442 U5.C3@196.096,142.442 ; R22.5@205.289,133.713 205.289,134.167 205.076,134.38 205.076,134.882 v1(205.296,135.102)
  IN1_L3 w0.1: v1(195.387,142.571) 195.228,142.73 194.906,142.73 194.686,142.51 194.686,142.415 194.685,142.414 194.685,141.009 195.987,139.707 200.699,139.707 200.987,139.419 200.987,137.719 201.579,137.127 203.267,137.127 203.47,136.924 203.47,135.966 203.595,135.841 204.14,135.841 204.359,135.623 ; 204.359,135.622 204.461,135.52 204.878,135.52 v1(205.296,135.102)
DQS<6>: R23.5 U6.C3 | length 15.9
  TOP w0.1: v1(209.21,142.422) 209.24,142.422 209.548,142.73 209.806,142.73 210.094,142.442 U6.C3@210.096,142.442 ; R23.5@214.389,133.713 214.389,134.12 214.246,134.26 214.246,134.698 214.526,134.978 v1(214.526,134.991)
  IN1_L3 w0.1: v1(209.21,142.422) 209.047,142.585 209.04,142.585 208.915,142.71 208.707,142.71 208.546,142.549 208.546,141.799 208.577,141.768 208.577,141.764 208.785,141.556 208.785,139.606 208.94,139.451 210.53,139.451 210.95,139.031 212.232,139.031 212.442,139.241 212.925,139.241 213.396,138.77 213.396,137.525 214.087,136.834 214.087,135.43 v1(214.526,134.991)
DQS<7>: R24.5 U7.C3 | length 14.2
  TOP w0.1: v1(223.361,142.648) 223.503,142.79 223.748,142.79 U7.C3@224.096,142.442 ; R24.5@223.439,133.713 223.439,134.067 223.237,134.269 223.237,134.838 v1(223.441,135.042)
  IN1_L3 w0.1: 223.036,135.836 223.042,135.83 223.042,135.441 v1(223.441,135.042) ; 223.036,135.837 222.976,135.897 222.969,135.897 222.708,136.158 222.098,136.158 221.826,136.43 221.826,137.279 222.053,137.506 223.26,137.506 223.512,137.758 223.512,140.464 222.929,141.047 222.929,141.765 222.446,142.248 222.446,142.71 222.696,142.96 223.006,142.96 223.36,142.606 v1(223.361,142.648)
ODT0: RT1.1 U0.G1 U1.G1 U2.G1 U3.G1 U4.G1 U5.G1 U6.G1 U7.G1 | length 225.4
  TOP w0.1: U0.G1@118.346,145.643 118.742,145.643 v1(118.916,145.817) ; U1.G1@132.346,145.643 132.742,145.643 v1(132.916,145.817) ; U2.G1@146.346,145.643 146.742,145.643 v1(146.916,145.817) ; U3.G1@160.346,145.643 160.742,145.643 v1(160.916,145.817) ; U4.G1@183.696,145.643 184.092,145.643 v1(184.266,145.817) ; U5.G1@197.696,145.643 198.092,145.643 v1(198.266,145.817) ; U6.G1@211.696,145.643 212.092,145.643 v1(212.266,145.817) ; U7.G1@225.696,145.643 226.092,145.643 v1(226.266,145.817) ; v1(228.326,143.509) RT1.1@229.369,143.509
  IN2_L4 w0.1: 111.066,144.915 111.066,145.39 111.546,145.87 111.698,145.87 112.034,146.206 114.752,146.206 115.038,146.492 116.344,146.492 116.818,146.018 118.715,146.018 v1(118.916,145.817) 119.009,145.91 119.833,145.91 120.293,145.45 120.646,145.45 121.046,145.85 123.456,145.85 123.806,145.5 124.316,145.5 124.9,146.084 128.517,146.084 129.021,145.58 130.436,145.58 130.956,146.1 132.633,146.1 v1(132.916,145.817) 133.483,145.25 134.206,145.25 134.992,146.036 135.95,146.036 136.186,145.8 138.646,145.8 138.882,146.036 139.703,146.036 139.708,146.041 139.738,146.041 139.932,146.235 140.321,146.235 140.491,146.065 141.651,146.065 141.926,145.79 142.83,145.79 143.005,145.615 144.448,145.615 144.815,145.982 146.751,145.982 v1(146.916,145.817) 147.643,145.09 148.686,145.09 149.816,146.22 151.736,146.22 151.92,146.036 153.703,146.036 153.708,146.041 156.579,146.041 157.007,145.613 158.493,145.613 158.93,146.05 160.683,146.05 v1(160.916,145.817) 161.135,146.036 167.703,146.036 167.708,146.041 170.326,146.041 170.545,146.26 171.166,146.26 171.444,145.982 172.596,145.982 172.764,146.15 173.616,146.15 173.716,146.05 179.994,146.05 180.429,145.615 180.763,145.615 180.998,145.85 180.998,146.092 181.354,146.448 181.768,146.448 182.091,146.125 183.051,146.125 183.256,146.33 183.753,146.33 v1(184.266,145.817) 185.063,145.02 186.236,145.02 187.252,146.036 191.053,146.036 191.058,146.041 191.088,146.041 191.282,146.235 191.671,146.235 191.841,146.065 193.001,146.065 193.276,145.79 194.18,145.79 194.355,145.615 195.798,145.615 196.165,145.982 198.101,145.982 v1(198.266,145.817) 199.089,145.817 199.466,145.44 200.156,145.44 200.626,145.91 201.946,145.91 202.366,145.49 202.786,145.49 203.332,146.036 205.053,146.036 205.058,146.041 205.088,146.041 205.282,146.235 205.671,146.235 205.841,146.065 207.001,146.065 207.276,145.79 208.18,145.79 208.36,145.61 209.041,145.61 209.042,145.611 209.849,145.611 210.204,145.966 210.222,145.966 210.306,146.05 212.033,146.05 v1(212.266,145.817) 212.669,146.22 213.036,146.22 213.756,145.5 214.466,145.5 215.246,146.28 216.726,146.28 216.97,146.036 219.053,146.036 219.058,146.041 221.875,146.041 222.305,145.611 223.677,145.611 224.116,146.05 226.033,146.05 v1(226.266,145.817) 226.266,145.53 226.666,145.13 227.726,145.13 228.716,144.14 228.716,143.899 v1(228.326,143.509)
  IN2_L4 w0.254: 111.066,144.915 111.066,144.68 111.696,144.05 111.696,140.378 115.236,136.838 160.774,136.838 162.226,135.386 162.686,135.386 162.736,135.436 163.692,135.436 163.696,135.44 167.096,135.44 167.729,134.807 171.739,134.807 176.148,130.398 177.344,130.398 178.318,131.372 178.318,132.09 178.966,132.738 182.628,132.738 183.406,131.96 183.996,131.96 184.256,132.22 184.256,132.64 184.586,132.97 184.628,132.97 184.637,132.979 185.707,132.979 186.946,131.74 v1(186.946,131.66)
  BOTTOM w0.254: 186.601,129.784 186.846,130.029 186.846,131.56 v1(186.946,131.66)

## Text inside footprints (layer, text, board x,y; h text height)
Designator1: PIN_NUMBER "119" at 230.001,129.784 h0.5; PIN_NUMBER "79" at 190.201,129.784 h0.5; PIN_NUMBER "64" at 175.201,129.784 h0.5; PIN_NUMBER "63" at 174.201,129.784 h0.5; PIN_NUMBER "112" at 223.001,129.784 h0.5; PIN_NUMBER "103" at 214.001,129.784 h0.5; PIN_NUMBER "94" at 205.201,129.784 h0.5; PIN_NUMBER "85" at 196.201,129.784 h0.5; PIN_NUMBER "34" at 141.201,129.784 h0.5; PIN_NUMBER "25" at 132.201,129.784 h0.5; PIN_NUMBER "16" at 123.201,129.784 h0.5; PIN_NUMBER "7" at 114.401,129.784 h0.5; PIN_NUMBER "111" at 222.001,129.784 h0.5; PIN_NUMBER "102" at 213.001,129.784 h0.5; PIN_NUMBER "93" at 204.201,129.784 h0.5; PIN_NUMBER "84" at 195.201,129.784 h0.5; PIN_NUMBER "33" at 140.201,129.784 h0.5; PIN_NUMBER "24" at 131.201,129.784 h0.5; PIN_NUMBER "15" at 122.201,129.784 h0.5; PIN_NUMBER "6" at 113.401,129.784 h0.5; PIN_NUMBER "13" at 120.201,129.784 h0.5; PIN_NUMBER "12" at 119.201,129.784 h0.5; PIN_NUMBER "129" at 116.001,129.784 h0.5; PIN_NUMBER "128" at 115.001,129.784 h0.5; PIN_NUMBER "234" at 225.001,129.784 h0.5; PIN_NUMBER "233" at 224.001,129.784 h0.5; PIN_NUMBER "228" at 219.001,129.784 h0.5; PIN_NUMBER "227" at 218.001,129.784 h0.5; PIN_NUMBER "123" at 110.001,129.784 h0.5; PIN_NUMBER "115" at 226.001,129.784 h0.5; PIN_NUMBER "114" at 225.001,129.784 h0.5; PIN_NUMBER "109" at 220.001,129.784 h0.5; PIN_NUMBER "108" at 219.001,129.784 h0.5; PIN_NUMBER "225" at 216.001,129.784 h0.5; PIN_NUMBER "224" at 215.001,129.784 h0.5; PIN_NUMBER "219" at 210.001,129.784 h0.5; PIN_NUMBER "218" at 209.001,129.784 h0.5; PIN_NUMBER "106" at 217.001,129.784 h0.5; PIN_NUMBER "105" at 216.001,129.784 h0.5; PIN_NUMBER "122" at 109.001,129.784 h0.5; PIN_NUMBER "100" at 211.001,129.784 h0.5; PIN_NUMBER "99" at 210.201,129.784 h0.5; PIN_NUMBER "216" at 207.001,129.784 h0.5; PIN_NUMBER "215" at 206.001,129.784 h0.5; PIN_NUMBER "210" at 201.001,129.784 h0.5; PIN_NUMBER "209" at 200.001,129.784 h0.5; PIN_NUMBER "97" at 208.201,129.784 h0.5; PIN_NUMBER "96" at 207.201,129.784 h0.5; PIN_NUMBER "91" at 202.201,129.784 h0.5; PIN_NUMBER "90" at 201.201,129.784 h0.5; PIN_NUMBER "10" at 117.201,129.784 h0.5; PIN_NUMBER "207" at 198.001,129.784 h0.5; PIN_NUMBER "206" at 197.001,129.784 h0.5; PIN_NUMBER "201" at 192.001,129.784 h0.5; PIN_NUMBER "200" at 191.001,129.784 h0.5; PIN_NUMBER "88" at 199.201,129.784 h0.5; PIN_NUMBER "87" at 198.201,129.784 h0.5; PIN_NUMBER "82" at 193.201,129.784 h0.5; PIN_NUMBER "81" at 192.201,129.784 h0.5; PIN_NUMBER "156" at 143.001,129.784 h0.5; PIN_NUMBER "155" at 142.001,129.784 h0.5; PIN_NUMBER "9" at 116.401,129.784 h0.5; PIN_NUMBER "150" at 137.001,129.784 h0.5; PIN_NUMBER "149" at 136.001,129.784 h0.5; PIN_NUMBER "37" at 144.201,129.784 h0.5; PIN_NUMBER "36" at 143.201,129.784 h0.5; PIN_NUMBER "31" at 138.201,129.784 h0.5; PIN_NUMBER "30" at 137.201,129.784 h0.5; PIN_NUMBER "147" at 134.001,129.784 h0.5; PIN_NUMBER "146" at 133.001,129.784 h0.5; PIN_NUMBER "141" at 128.001,129.784 h0.5; PIN_NUMBER "140" at 127.001,129.784 h0.5; PIN_NUMBER "4" at 111.401,129.784 h0.5; PIN_NUMBER "28" at 135.201,129.784 h0.5; PIN_NUMBER "27" at 134.201,129.784 h0.5; PIN_NUMBER "22" at 129.201,129.784 h0.5; PIN_NUMBER "21" at 128.201,129.784 h0.5; PIN_NUMBER "138" at 125.001,129.784 h0.5; PIN_NUMBER "137" at 124.001,129.784 h0.5; PIN_NUMBER "132" at 119.001,129.784 h0.5; PIN_NUMBER "131" at 118.001,129.784 h0.5; PIN_NUMBER "19" at 126.201,129.784 h0.5; PIN_NUMBER "18" at 125.201,129.784 h0.5; PIN_NUMBER "3" at 110.401,129.784 h0.5; PIN_NUMBER "230" at 221.001,129.784 h0.5; PIN_NUMBER "221" at 212.001,129.784 h0.5; PIN_NUMBER "212" at 203.001,129.784 h0.5; PIN_NUMBER "203" at 194.001,129.784 h0.5; PIN_NUMBER "152" at 139.001,129.784 h0.5; PIN_NUMBER "143" at 130.001,129.784 h0.5; PIN_NUMBER "134" at 121.001,129.784 h0.5; PIN_NUMBER "125" at 112.001,129.784 h0.5; PIN_NUMBER "120" at 231.001,129.784 h0.5; PIN_NUMBER "240" at 231.001,129.784 h0.5; PIN_NUMBER "236" at 227.001,129.784 h0.5; PIN_NUMBER "238" at 229.001,129.784 h0.5; PIN_NUMBER "118" at 229.001,129.784 h0.5; PIN_NUMBER "237" at 228.001,129.784 h0.5; PIN_NUMBER "117" at 228.001,129.784 h0.5; PIN_NUMBER "167" at 154.001,129.784 h0.5; PIN_NUMBER "39" at 146.201,129.784 h0.5; PIN_NUMBER "40" at 147.201,129.784 h0.5; PIN_NUMBER "45" at 152.201,129.784 h0.5; PIN_NUMBER "46" at 153.201,129.784 h0.5; PIN_NUMBER "158" at 145.001,129.784 h0.5; PIN_NUMBER "159" at 146.001,129.784 h0.5; PIN_NUMBER "164" at 151.001,129.784 h0.5; PIN_NUMBER "165" at 152.001,129.784 h0.5; PIN_NUMBER "169" at 160.001,129.784 h0.5; PIN_NUMBER "48" at 155.201,129.784 h0.5; PIN_NUMBER "49" at 160.201,129.784 h0.5; PIN_NUMBER "187" at 178.001,129.784 h0.5; PIN_NUMBER "198" at 189.001,129.784 h0.5; PIN_NUMBER "53" at 164.201,129.784 h0.5; PIN_NUMBER "68" at 179.201,129.784 h0.5; PIN_NUMBER "77" at 188.201,129.784 h0.5; PIN_NUMBER "76" at 187.201,129.784 h0.5; PIN_NUMBER "161" at 148.001,129.784 h0.5; PIN_NUMBER "135" at 122.001,129.784 h0.5; PIN_NUMBER "144" at 131.001,129.784 h0.5; PIN_NUMBER "153" at 140.001,129.784 h0.5; PIN_NUMBER "204" at 195.001,129.784 h0.5; PIN_NUMBER "213" at 204.001,129.784 h0.5; PIN_NUMBER "222" at 213.001,129.784 h0.5; PIN_NUMBER "231" at 222.001,129.784 h0.5; PIN_NUMBER "162" at 149.001,129.784 h0.5; PIN_NUMBER "43" at 150.201,129.784 h0.5; PIN_NUMBER "42" at 149.201,129.784 h0.5; PIN_NUMBER "126" at 113.001,129.784 h0.5; PIN_NUMBER "73" at 184.201,129.784 h0.5; PIN_NUMBER "1" at 108.401,129.784 h0.5; PIN_NUMBER "67" at 178.201,129.784 h0.5; PIN_NUMBER "168" at 155.001,129.784 h0.5; PIN_NUMBER "192" at 183.001,129.784 h0.5; PIN_NUMBER "195" at 186.001,129.784 h0.5; PIN_NUMBER "193" at 184.001,129.784 h0.5; PIN_NUMBER "50" at 161.201,129.784 h0.5; PIN_NUMBER "185" at 176.001,129.784 h0.5; PIN_NUMBER "184" at 175.001,129.784 h0.5; PIN_NUMBER "74" at 185.201,129.784 h0.5; PIN_NUMBER "52" at 163.201,129.784 h0.5; PIN_NUMBER "190" at 181.001,129.784 h0.5; PIN_NUMBER "71" at 182.201,129.784 h0.5; PIN_NUMBER "175" at 166.001,129.784 h0.5; PIN_NUMBER "177" at 168.001,129.784 h0.5; PIN_NUMBER "56" at 167.201,129.784 h0.5; PIN_NUMBER "178" at 169.001,129.784 h0.5; PIN_NUMBER "58" at 169.201,129.784 h0.5; PIN_NUMBER "59" at 170.201,129.784 h0.5; PIN_NUMBER "180" at 171.001,129.784 h0.5; PIN_NUMBER "61" at 172.201,129.784 h0.5; PIN_NUMBER "181" at 172.001,129.784 h0.5; PIN_NUMBER "171" at 162.001,129.784 h0.5; PIN_NUMBER "172" at 163.001,129.784 h0.5; PIN_NUMBER "196" at 187.001,129.784 h0.5; PIN_NUMBER "174" at 165.001,129.784 h0.5; PIN_NUMBER "55" at 166.201,129.784 h0.5; PIN_NUMBER "70" at 181.201,129.784 h0.5; PIN_NUMBER "188" at 179.001,129.784 h0.5; PIN_NUMBER "235" at 226.001,129.784 h0.5; PIN_NUMBER "220" at 211.001,129.784 h0.5; PIN_NUMBER "217" at 208.001,129.784 h0.5; PIN_NUMBER "214" at 205.001,129.784 h0.5; PIN_NUMBER "202" at 193.001,129.784 h0.5; PIN_NUMBER "205" at 196.001,129.784 h0.5; PIN_NUMBER "199" at 190.001,129.784 h0.5; PIN_NUMBER "2" at 109.401,129.784 h0.5; PIN_NUMBER "83" at 194.201,129.784 h0.5; PIN_NUMBER "89" at 200.201,129.784 h0.5; PIN_NUMBER "95" at 206.201,129.784 h0.5; PIN_NUMBER "101" at 212.001,129.784 h0.5; PIN_NUMBER "98" at 209.201,129.784 h0.5; PIN_NUMBER "5" at 112.401,129.784 h0.5; PIN_NUMBER "11" at 118.201,129.784 h0.5; PIN_NUMBER "17" at 124.201,129.784 h0.5; PIN_NUMBER "20" at 127.201,129.784 h0.5; PIN_NUMBER "23" at 130.201,129.784 h0.5; PIN_NUMBER "26" at 133.201,129.784 h0.5; PIN_NUMBER "29" at 136.201,129.784 h0.5; PIN_NUMBER "32" at 139.201,129.784 h0.5; PIN_NUMBER "35" at 142.201,129.784 h0.5; PIN_NUMBER "44" at 151.201,129.784 h0.5; PIN_NUMBER "47" at 154.201,129.784 h0.5; PIN_NUMBER "80" at 191.201,129.784 h0.5; PIN_NUMBER "14" at 121.201,129.784 h0.5; PIN_NUMBER "113" at 224.001,129.784 h0.5; PIN_NUMBER "110" at 221.001,129.784 h0.5; PIN_NUMBER "107" at 218.001,129.784 h0.5; PIN_NUMBER "92" at 203.201,129.784 h0.5; PIN_NUMBER "211" at 202.001,129.784 h0.5; PIN_NUMBER "226" at 217.001,129.784 h0.5; PIN_NUMBER "208" at 199.001,129.784 h0.5; PIN_NUMBER "223" at 214.001,129.784 h0.5; PIN_NUMBER "232" at 223.001,129.784 h0.5; PIN_NUMBER "145" at 132.001,129.784 h0.5; PIN_NUMBER "148" at 135.001,129.784 h0.5; PIN_NUMBER "151" at 138.001,129.784 h0.5; PIN_NUMBER "154" at 141.001,129.784 h0.5; PIN_NUMBER "136" at 123.001,129.784 h0.5; PIN_NUMBER "139" at 126.001,129.784 h0.5; PIN_NUMBER "124" at 111.001,129.784 h0.5; PIN_NUMBER "130" at 117.001,129.784 h0.5; PIN_NUMBER "127" at 114.001,129.784 h0.5; PIN_NUMBER "142" at 129.001,129.784 h0.5; PIN_NUMBER "133" at 120.001,129.784 h0.5; PIN_NUMBER "121" at 108.001,129.784 h0.5; PIN_NUMBER "229" at 220.001,129.784 h0.5; PIN_NUMBER "157" at 144.001,129.784 h0.5; PIN_NUMBER "160" at 147.001,129.784 h0.5; PIN_NUMBER "163" at 150.001,129.784 h0.5; PIN_NUMBER "166" at 153.001,129.784 h0.5; PIN_NUMBER "41" at 148.201,129.784 h0.5; PIN_NUMBER "8" at 115.401,129.784 h0.5; PIN_NUMBER "104" at 215.001,129.784 h0.5; PIN_NUMBER "86" at 197.201,129.784 h0.5; PIN_NUMBER "38" at 145.201,129.784 h0.5; PIN_NUMBER "239" at 230.001,129.784 h0.5; PIN_NUMBER "116" at 227.001,129.784 h0.5; PIN_NUMBER "170" at 161.001,129.784 h0.5; PIN_NUMBER "51" at 162.201,129.784 h0.5; PIN_NUMBER "54" at 165.201,129.784 h0.5; PIN_NUMBER "173" at 164.001,129.784 h0.5; PIN_NUMBER "183" at 174.001,129.784 h0.5; PIN_NUMBER "182" at 173.001,129.784 h0.5; PIN_NUMBER "62" at 173.201,129.784 h0.5; PIN_NUMBER "57" at 168.201,129.784 h0.5; PIN_NUMBER "176" at 167.001,129.784 h0.5; PIN_NUMBER "60" at 171.201,129.784 h0.5; PIN_NUMBER "179" at 170.001,129.784 h0.5; PIN_NUMBER "72" at 183.201,129.784 h0.5; PIN_NUMBER "191" at 182.001,129.784 h0.5; PIN_NUMBER "189" at 180.001,129.784 h0.5; PIN_NUMBER "69" at 180.201,129.784 h0.5; PIN_NUMBER "186" at 177.001,129.784 h0.5; PIN_NUMBER "66" at 177.201,129.784 h0.5; PIN_NUMBER "65" at 176.201,129.784 h0.5; PIN_NUMBER "194" at 185.001,129.784 h0.5; PIN_NUMBER "75" at 186.201,129.784 h0.5; PIN_NUMBER "197" at 188.001,129.784 h0.5; PIN_NUMBER "78" at 189.201,129.784 h0.5
M1: PIN_NUMBER "3" at 168.69,142.36 h0.64 r270; PIN_NUMBER "8" at 169.99,136.48 h0.64 r270; PIN_NUMBER "5" at 168.04,136.48 h0.64 r270; PIN_NUMBER "6" at 168.69,136.48 h0.64 r270; PIN_NUMBER "2" at 169.34,142.36 h0.64 r270; PIN_NUMBER "1" at 169.99,142.36 h0.64 r270; PIN_NUMBER "4" at 168.04,142.36 h0.64 r270; PIN_NUMBER "7" at 169.34,136.48 h0.64 r270